# KiCad board KeeBoard.kicad_pcb
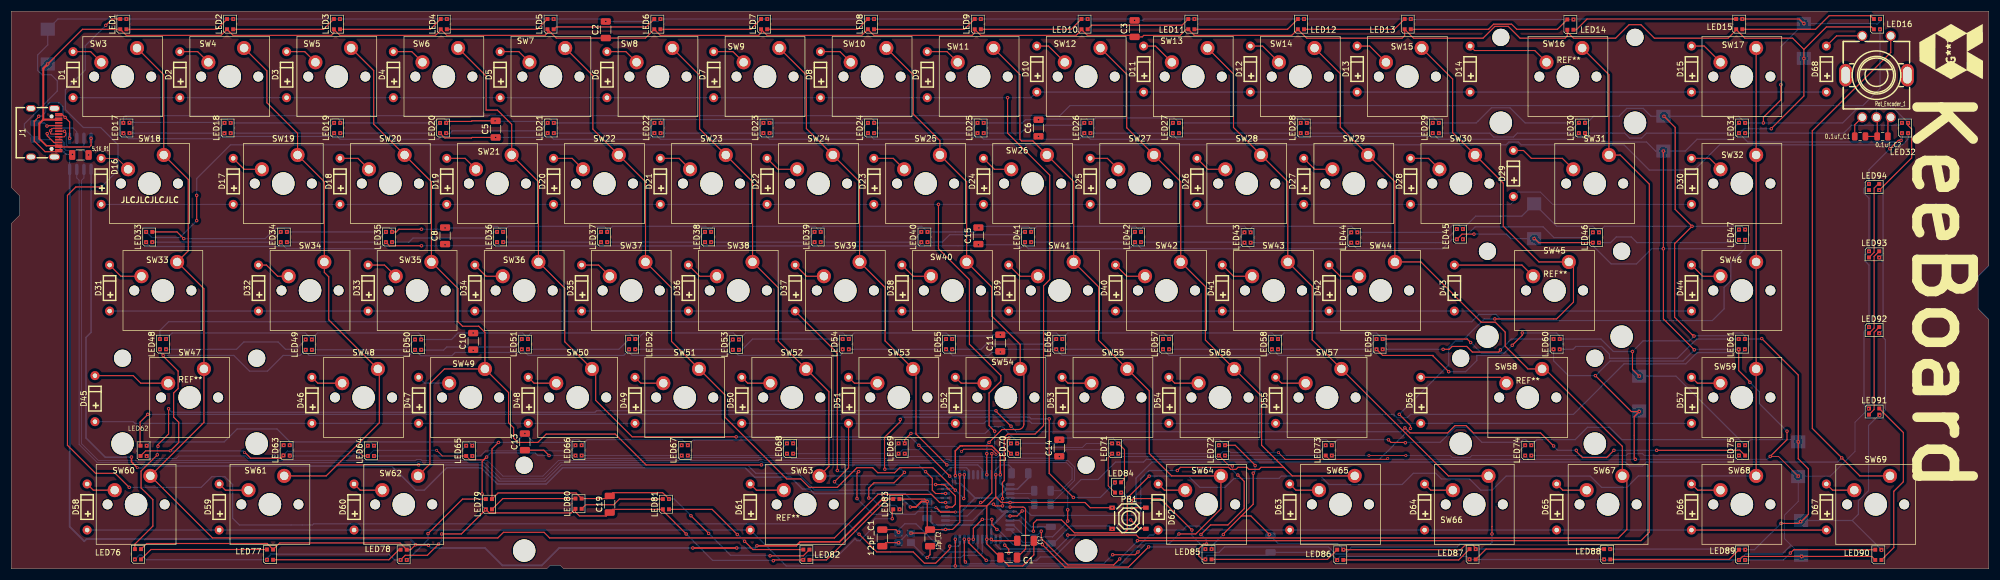
[diagram p0: board, top side]
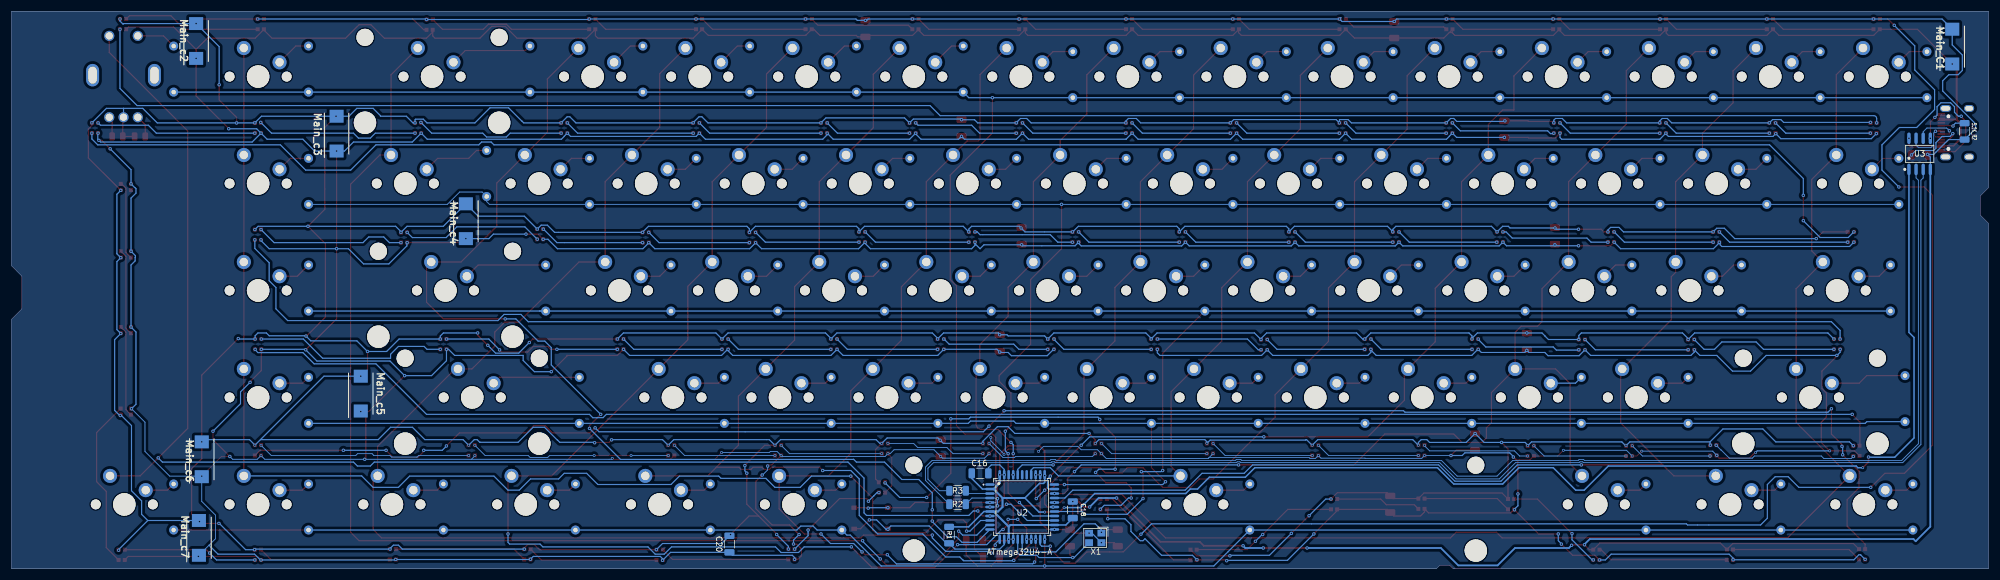
[diagram p1: board, bottom side, seen from below]

Outline 351.9 x 99.3 mm; copper layers: Top, Bottom. Coordinates in mm from the lower left corner of the outline.
Outline path: 0,99.3 0,67.9 1.5,66.4 1.5,63 0,61.5 0,0 95.3,0 95.9,0.6 97.7,0.6 98.3,0 351.9,0 351.9,44.4 350,46.3 350,52.1 351.9,54 351.9,99.3 0,99.3

## Placement (name value [footprint] x y rotation side)
0.1uf_C1  C_Small  [C_0805_2012Metric]  329 77 0 top
0.1uf_C2  C_Small  [C_0805_2012Metric]  333 77 0 top
5.1K_R1  R_Small  [R_1206_3216Metric]  12.3 73.7 180 top
5.1K_R2  R_Small  [R_1206_3216Metric]  4.3 77.9 270 bottom
12pF_C1  C_Small  [C_1206_3216Metric]  155 5.5 270 top
12pF_C2  C_Small  [C_1206_3216Metric]  163.5 5.5 90 top
C1  1u  [C_1206_3216Metric]  177.5 2 180 top
C2  10uF  [C_1206_3216Metric]  105.8 96 90 top
C3  10uF  [C_1206_3216Metric]  199.9 96.2 90 top
C5  10uF  [C_1206_3216Metric]  86.2 78.3 90 top
C6  10uF  [C_1206_3216Metric]  182.8 78.5 90 top
C8  10uF  [C_1206_3216Metric]  77.2 59.3 90 top
C10  10uF  [C_1206_3216Metric]  82.2 40.5 90 top
C11  10uF  [C_1206_3216Metric]  176 40.2 90 top
C13  10uF  [C_1206_3216Metric]  91.4 22.6 90 top
C14  10uF  [C_1206_3216Metric]  186.5 21.5 90 top
C15  10uF  [C_1206_3216Metric]  172.1 59.3 90 top
C16  100n  [C_1206_3216Metric]  179.5 17 0 bottom
C17  100n  [C_1206_3216Metric]  180.5 5 180 top
C18  100n  [C_1206_3216Metric]  163 10.5 270 bottom
C19  10uF  [C_1206_3216Metric]  106.5 11.5 90 top
C20  10uF  [C_1206_3216Metric]  224.1 4.4 90 bottom
D1  D  [onsemi 1N4148TR]  11 88 90 top
D2  D  [onsemi 1N4148TR]  30 88 90 top
D3  D  [onsemi 1N4148TR]  49 88 90 top
D4  D  [onsemi 1N4148TR]  68 88 90 top
D5  D  [onsemi 1N4148TR]  87 88 90 top
D6  D  [onsemi 1N4148TR]  106 88 90 top
D7  D  [onsemi 1N4148TR]  125 88 90 top
D8  D  [onsemi 1N4148TR]  144 88 90 top
D9  D  [onsemi 1N4148TR]  163 88 90 top
D10  D  [onsemi 1N4148TR]  182.5 89 90 top
D11  D  [onsemi 1N4148TR]  201.5 89 90 top
D12  D  [onsemi 1N4148TR]  220.5 89 90 top
D13  D  [onsemi 1N4148TR]  239.5 89 90 top
D14  D  [onsemi 1N4148TR]  259.6 89 90 top
D15  D  [onsemi 1N4148TR]  299 89 90 top
D16  D  [onsemi 1N4148TR]  16 69 90 top
D17  D  [onsemi 1N4148TR]  39.5 69 90 top
D18  D  [onsemi 1N4148TR]  58.5 69 90 top
D19  D  [onsemi 1N4148TR]  77.5 69 90 top
D20  D  [onsemi 1N4148TR]  96.5 69 90 top
D21  D  [onsemi 1N4148TR]  115.5 69 90 top
D22  D  [onsemi 1N4148TR]  134.5 69 90 top
D23  D  [onsemi 1N4148TR]  153.5 69 90 top
D24  D  [onsemi 1N4148TR]  173 69 90 top
D25  D  [onsemi 1N4148TR]  192 69 90 top
D26  D  [onsemi 1N4148TR]  211 69 90 top
D27  D  [onsemi 1N4148TR]  230 69 90 top
D28  D  [onsemi 1N4148TR]  249 69 90 top
D29  D  [onsemi 1N4148TR]  267.3 70.4 90 top
D30  D  [onsemi 1N4148TR]  299 69 90 top
D31  D  [onsemi 1N4148TR]  17.5 50 90 top
D32  D  [onsemi 1N4148TR]  44 50 90 top
D33  D  [onsemi 1N4148TR]  63.5 50 90 top
D34  D  [onsemi 1N4148TR]  82.5 50 90 top
D35  D  [onsemi 1N4148TR]  101.5 50 90 top
D36  D  [onsemi 1N4148TR]  120.5 50 90 top
D37  D  [onsemi 1N4148TR]  139.5 50 90 top
D38  D  [onsemi 1N4148TR]  158.5 50 90 top
D39  D  [onsemi 1N4148TR]  177.5 50 90 top
D40  D  [onsemi 1N4148TR]  196.5 50 90 top
D41  D  [onsemi 1N4148TR]  215.5 50 90 top
D42  D  [onsemi 1N4148TR]  234.5 50 90 top
D43  D  [onsemi 1N4148TR]  256.8 50 90 top
D44  D  [onsemi 1N4148TR]  299 50 90 top
D45  D  [onsemi 1N4148TR]  14.9 30.3 90 top
D46  D  [onsemi 1N4148TR]  53.5 30 90 top
D47  D  [onsemi 1N4148TR]  72.5 30 90 top
D48  D  [onsemi 1N4148TR]  92 30 90 top
D49  D  [onsemi 1N4148TR]  111 30 90 top
D50  D  [onsemi 1N4148TR]  130 30 90 top
D51  D  [onsemi 1N4148TR]  149 30 90 top
D52  D  [onsemi 1N4148TR]  168 30 90 top
D53  D  [onsemi 1N4148TR]  187 30 90 top
D54  D  [onsemi 1N4148TR]  206 30 90 top
D55  D  [onsemi 1N4148TR]  225 30 90 top
D56  D  [onsemi 1N4148TR]  250.82 30 90 top
D57  D  [onsemi 1N4148TR]  299 30 90 top
D58  D  [onsemi 1N4148TR]  13.5 11 90 top
D59  D  [onsemi 1N4148TR]  37 11 90 top
D60  D  [onsemi 1N4148TR]  61 11 90 top
D61  D  [onsemi 1N4148TR]  131.5 11 90 top
D62  D  [onsemi 1N4148TR]  204.1 11 90 top
D63  D  [onsemi 1N4148TR]  227.5 11 90 top
D64  D  [onsemi 1N4148TR]  251.5 11 90 top
D65  D  [onsemi 1N4148TR]  275 11 90 top
D66  D  [onsemi 1N4148TR]  299 11 90 top
D67  D  [onsemi 1N4148TR]  323 11 90 top
D68  D  [onsemi 1N4148TR]  323 89 90 top
G***  -  [LOGO]  345.2 92.3 270 top
J1  USBC  [USB-C_SMD-TYPE-C-31-M-12 HRO]  5.97 77.67 270 top
LED1  WS2812B  [LED_WS2812B-2020_PLCC4_2.0x2.0mm]  19.95 97 90 top
LED2  WS2812B  [LED_WS2812B-2020_PLCC4_2.0x2.0mm]  38.95 97 90 top
LED3  WS2812B  [LED_WS2812B-2020_PLCC4_2.0x2.0mm]  57.96 97 90 top
LED4  WS2812B  [LED_WS2812B-2020_PLCC4_2.0x2.0mm]  76.97 97 90 top
LED5  WS2812B  [LED_WS2812B-2020_PLCC4_2.0x2.0mm]  95.97 97 90 top
LED6  WS2812B  [LED_WS2812B-2020_PLCC4_2.0x2.0mm]  114.97 97 90 top
LED7  WS2812B  [LED_WS2812B-2020_PLCC4_2.0x2.0mm]  133.98 97 90 top
LED8  WS2812B  [LED_WS2812B-2020_PLCC4_2.0x2.0mm]  152.99 97 90 top
LED9  WS2812B  [LED_WS2812B-2020_PLCC4_2.0x2.0mm]  171.99 97 90 top
LED10  WS2812B  [LED_WS2812B-2020_PLCC4_2.0x2.0mm]  191 97 90 top
LED11  WS2812B  [LED_WS2812B-2020_PLCC4_2.0x2.0mm]  210 97 90 top
LED12  WS2812B  [LED_WS2812B-2020_PLCC4_2.0x2.0mm]  229.5 97 90 top
LED13  WS2812B  [LED_WS2812B-2020_PLCC4_2.0x2.0mm]  248.5 97 90 top
LED14  WS2812B  [LED_WS2812B-2020_PLCC4_2.0x2.0mm]  277.45 96.91 90 top
LED15  WS2812B  [LED_WS2812B-2020_PLCC4_2.0x2.0mm]  307.5 97 90 top
LED16  WS2812B  [LED_WS2812B-2020_PLCC4_2.0x2.0mm]  332 97 90 top
LED17  WS2812B  [LED_WS2812B-2020_PLCC4_2.0x2.0mm]  20.5 78.5 90 top
LED18  WS2812B  [LED_WS2812B-2020_PLCC4_2.0x2.0mm]  38.5 78.5 90 top
LED19  WS2812B  [LED_WS2812B-2020_PLCC4_2.0x2.0mm]  58 78.5 90 top
LED20  WS2812B  [LED_WS2812B-2020_PLCC4_2.0x2.0mm]  76.85 78.5 90 top
LED21  WS2812B  [LED_WS2812B-2020_PLCC4_2.0x2.0mm]  96 78.5 90 top
LED22  WS2812B  [LED_WS2812B-2020_PLCC4_2.0x2.0mm]  115 78.5 90 top
LED23  WS2812B  [LED_WS2812B-2020_PLCC4_2.0x2.0mm]  134.4 78.5 90 top
LED24  WS2812B  [LED_WS2812B-2020_PLCC4_2.0x2.0mm]  153 78.5 90 top
LED25  WS2812B  [LED_WS2812B-2020_PLCC4_2.0x2.0mm]  172.5 78.5 90 top
LED26  WS2812B  [LED_WS2812B-2020_PLCC4_2.0x2.0mm]  191.5 78.5 90 top
LED27  WS2812B  [LED_WS2812B-2020_PLCC4_2.0x2.0mm]  207.26 78.5 90 top
LED28  WS2812B  [LED_WS2812B-2020_PLCC4_2.0x2.0mm]  230 78.5 90 top
LED29  WS2812B  [LED_WS2812B-2020_PLCC4_2.0x2.0mm]  253.5 78.5 90 top
LED30  WS2812B  [LED_WS2812B-2020_PLCC4_2.0x2.0mm]  279.5 78.5 90 top
LED31  WS2812B  [LED_WS2812B-2020_PLCC4_2.0x2.0mm]  308 78.5 90 top
LED32  WS2812B  [LED_WS2812B-2020_PLCC4_2.0x2.0mm]  337 78.5 90 top
LED33  WS2812B  [LED_WS2812B-2020_PLCC4_2.0x2.0mm]  24.55 59.09 90 top
LED34  WS2812B  [LED_WS2812B-2020_PLCC4_2.0x2.0mm]  48.5 59.09 90 top
LED35  WS2812B  [LED_WS2812B-2020_PLCC4_2.0x2.0mm]  67.22 59.09 90 top
LED36  WS2812B  [LED_WS2812B-2020_PLCC4_2.0x2.0mm]  87 59.09 90 top
LED37  WS2812B  [LED_WS2812B-2020_PLCC4_2.0x2.0mm]  105.5 59.09 90 top
LED38  WS2812B  [LED_WS2812B-2020_PLCC4_2.0x2.0mm]  124 59.09 90 top
LED39  WS2812B  [LED_WS2812B-2020_PLCC4_2.0x2.0mm]  143.5 59.09 90 top
LED40  WS2812B  [LED_WS2812B-2020_PLCC4_2.0x2.0mm]  162.5 59.09 90 top
LED41  WS2812B  [LED_WS2812B-2020_PLCC4_2.0x2.0mm]  180.95 59.09 90 top
LED42  WS2812B  [LED_WS2812B-2020_PLCC4_2.0x2.0mm]  200.5 59.09 90 top
LED43  WS2812B  [LED_WS2812B-2020_PLCC4_2.0x2.0mm]  220 59 90 top
LED44  WS2812B  [LED_WS2812B-2020_PLCC4_2.0x2.0mm]  239 59 90 top
LED45  WS2812B  [LED_WS2812B-2020_PLCC4_2.0x2.0mm]  257.8 59.6 90 top
LED46  WS2812B  [LED_WS2812B-2020_PLCC4_2.0x2.0mm]  282 59 90 top
LED47  WS2812B  [LED_WS2812B-2020_PLCC4_2.0x2.0mm]  308 59.5 90 top
LED48  WS2812B  [LED_WS2812B-2020_PLCC4_2.0x2.0mm]  27 40 90 top
LED49  WS2812B  [LED_WS2812B-2020_PLCC4_2.0x2.0mm]  52.95 39.92 90 top
LED50  WS2812B  [LED_WS2812B-2020_PLCC4_2.0x2.0mm]  72.4 39.92 90 top
LED51  WS2812B  [LED_WS2812B-2020_PLCC4_2.0x2.0mm]  91.4 40 90 top
LED52  WS2812B  [LED_WS2812B-2020_PLCC4_2.0x2.0mm]  110.5 40 90 top
LED53  WS2812B  [LED_WS2812B-2020_PLCC4_2.0x2.0mm]  128.95 39.92 90 top
LED54  WS2812B  [LED_WS2812B-2020_PLCC4_2.0x2.0mm]  148.5 40 90 top
LED55  WS2812B  [LED_WS2812B-2020_PLCC4_2.0x2.0mm]  166.9 40 90 top
LED56  WS2812B  [LED_WS2812B-2020_PLCC4_2.0x2.0mm]  186.5 40 90 top
LED57  WS2812B  [LED_WS2812B-2020_PLCC4_2.0x2.0mm]  205.5 40 90 top
LED58  WS2812B  [LED_WS2812B-2020_PLCC4_2.0x2.0mm]  224.88 40 90 top
LED59  WS2812B  [LED_WS2812B-2020_PLCC4_2.0x2.0mm]  243.5 40 90 top
LED60  WS2812B  [LED_WS2812B-2020_PLCC4_2.0x2.0mm]  275 40 90 top
LED61  WS2812B  [LED_WS2812B-2020_PLCC4_2.0x2.0mm]  307.95 40 90 top
LED62  WS2812B  [LED_WS2812B-2020_PLCC4_2.0x2.0mm]  23.55 21 90 top
LED63  WS2812B  [LED_WS2812B-2020_PLCC4_2.0x2.0mm]  49 21.1 90 top
LED64  WS2812B  [LED_WS2812B-2020_PLCC4_2.0x2.0mm]  64 21 90 top
LED65  WS2812B  [LED_WS2812B-2020_PLCC4_2.0x2.0mm]  81.5 21 90 top
LED66  WS2812B  [LED_WS2812B-2020_PLCC4_2.0x2.0mm]  100.95 21.08 90 top
LED67  WS2812B  [LED_WS2812B-2020_PLCC4_2.0x2.0mm]  119.85 21.08 90 top
LED68  WS2812B  [LED_WS2812B-2020_PLCC4_2.0x2.0mm]  138.59 21.42 90 top
LED69  WS2812B  [LED_WS2812B-2020_PLCC4_2.0x2.0mm]  158.45 21.42 90 top
LED70  WS2812B  [LED_WS2812B-2020_PLCC4_2.0x2.0mm]  178.45 21.42 90 top
LED71  WS2812B  [LED_WS2812B-2020_PLCC4_2.0x2.0mm]  196.45 21.42 90 top
LED72  WS2812B  [LED_WS2812B-2020_PLCC4_2.0x2.0mm]  215.45 21.08 90 top
LED73  WS2812B  [LED_WS2812B-2020_PLCC4_2.0x2.0mm]  234.45 21.08 90 top
LED74  WS2812B  [LED_WS2812B-2020_PLCC4_2.0x2.0mm]  269.95 21.08 90 top
LED75  WS2812B  [LED_WS2812B-2020_PLCC4_2.0x2.0mm]  308 21.08 90 top
LED76  WS2812B  [LED_WS2812B-2020_PLCC4_2.0x2.0mm]  22.55 2.58 90 top
LED77  WS2812B  [LED_WS2812B-2020_PLCC4_2.0x2.0mm]  46.05 2.52 90 top
LED78  WS2812B  [LED_WS2812B-2020_PLCC4_2.0x2.0mm]  69.83 2.48 90 top
LED79  WS2812B  [LED_WS2812B-2020_PLCC4_2.0x2.0mm]  85 11.5 90 top
LED80  WS2812B  [LED_WS2812B-2020_PLCC4_2.0x2.0mm]  100.95 11.58 90 top
LED81  WS2812B  [LED_WS2812B-2020_PLCC4_2.0x2.0mm]  116.5 11.5 90 top
LED82  WS2812B  [LED_WS2812B-2020_PLCC4_2.0x2.0mm]  141.5 2.5 90 top
LED83  WS2812B  [LED_WS2812B-2020_PLCC4_2.0x2.0mm]  157.5 11.5 90 top
LED84  WS2812B  [LED_WS2812B-2020_PLCC4_2.0x2.0mm]  196.95 14.48 90 top
LED85  WS2812B  [LED_WS2812B-2020_PLCC4_2.0x2.0mm]  213.05 2.58 90 top
LED86  WS2812B  [LED_WS2812B-2020_PLCC4_2.0x2.0mm]  236.5 2.48 90 top
LED87  WS2812B  [LED_WS2812B-2020_PLCC4_2.0x2.0mm]  260.05 2.58 90 top
LED88  WS2812B  [LED_WS2812B-2020_PLCC4_2.0x2.0mm]  284 2.58 90 top
LED89  WS2812B  [LED_WS2812B-2020_PLCC4_2.0x2.0mm]  308 2.48 90 top
LED90  WS2812B  [LED_WS2812B-2020_PLCC4_2.0x2.0mm]  332.25 2.48 90 top
LED91  WS2812B  [LED_WS2812B-2020_PLCC4_2.0x2.0mm]  331.5 28 0 top
LED92  WS2812B  [LED_WS2812B-2020_PLCC4_2.0x2.0mm]  331.5 42.5 0 top
LED93  WS2812B  [LED_WS2812B-2020_PLCC4_2.0x2.0mm]  331.5 56 0 top
LED94  WS2812B  [LED_WS2812B-2020_PLCC4_2.0x2.0mm]  331.5 68 0 top
Main_C1  470uf  [CAPPM7344X430N 470uf tantalum]  6.5 93 90 bottom
Main_c2  470uf  [CAPPM7344X430N 470uf tantalum]  319 94 90 bottom
Main_c3  470uF  [CAPPM7344X430N 470uf tantalum]  294 77.5 90 bottom
Main_c4  470uf  [CAPPM7344X430N 470uf tantalum]  271 61.9 90 bottom
Main_c5  470Uf  [CAPPM7344X430N 470uf tantalum]  289.7 31.2 90 bottom
Main_c6  470uf  [CAPPM7344X430N 470uf tantalum]  318 19.5 90 bottom
Main_c7  470uf  [CAPPM7344X430N 470uf tantalum]  318.5 5.5 90 bottom
PB1  ~  [SW-SMD_4P-L5.1-W5.1-P3.70-LS6.5-TL_H1.5 C318884 push button]  198.9 9 0 top
R1  10k  [R_1206_3216Metric]  185 6 270 bottom
R2  22  [R_1206_3216Metric]  183.5 11.5 180 bottom
R3  22  [R_1206_3216Metric]  183.5 13.9 180 bottom
REF**  -  [Stabilizer_Cherry_MX_6.25u]  141.28 11.46 0 top
REF**#2  -  [Stabilizer_Cherry_MX_2.00u]  31.74 30.51 0 top
REF**#3  -  [Stabilizer_Cherry_MX_2.00u]  269.87 30.51 0 top
REF**#4  -  [Stabilizer_Cherry_MX_2.00u]  274.63 49.56 0 top
REF**#5  -  [Stabilizer_Cherry_MX_2.00u]  277.01 87.66 0 top
Rot_Encoder_1  ~  [EC11E18244AU Rotary encoder]  331.92 87.66 0 top
SW3  SW_Push  [SW_Cherry_MX_PCB_1.00u]  19.84 87.66 0 top
SW4  SW_Push  [SW_Cherry_MX_PCB_1.00u]  38.89 87.66 0 top
SW5  SW_Push  [SW_Cherry_MX_PCB_1.00u]  57.94 87.66 0 top
SW6  SW_Push  [SW_Cherry_MX_PCB_1.00u]  76.99 87.66 0 top
SW7  SW_Push  [SW_Cherry_MX_PCB_1.00u]  96.04 87.66 0 top
SW8  SW_Push  [SW_Cherry_MX_PCB_1.00u]  115.09 87.66 0 top
SW9  SW_Push  [SW_Cherry_MX_PCB_1.00u]  134.14 87.66 0 top
SW10  SW_Push  [SW_Cherry_MX_PCB_1.00u]  153.19 87.66 0 top
SW11  SW_Push  [SW_Cherry_MX_PCB_1.00u]  172.24 87.66 0 top
SW12  SW_Push  [SW_Cherry_MX_PCB_1.00u]  191.29 87.66 0 top
SW13  SW_Push  [SW_Cherry_MX_PCB_1.00u]  210.34 87.66 0 top
SW14  SW_Push  [SW_Cherry_MX_PCB_1.00u]  229.39 87.66 0 top
SW15  SW_Push  [SW_Cherry_MX_PCB_1.00u]  248.44 87.66 0 top
SW16  SW_Push  [SW_Cherry_MX_PCB_2.00u]  277.01 87.66 0 top
SW17  SW_Push  [SW_Cherry_MX_PCB_1.25u]  307.97 87.66 0 top
SW18  SW_Push  [SW_Cherry_MX_PCB_1.50u]  24.6 68.61 0 top
SW19  SW_Push  [SW_Cherry_MX_PCB_1.00u]  48.41 68.61 0 top
SW20  SW_Push  [SW_Cherry_MX_PCB_1.00u]  67.46 68.61 0 top
SW21  SW_Push  [SW_Cherry_MX_PCB_1.00u]  86.51 68.61 0 top
SW22  SW_Push  [SW_Cherry_MX_PCB_1.00u]  105.56 68.61 0 top
SW23  SW_Push  [SW_Cherry_MX_PCB_1.00u]  124.61 68.61 0 top
SW24  SW_Push  [SW_Cherry_MX_PCB_1.00u]  143.66 68.61 0 top
SW25  SW_Push  [SW_Cherry_MX_PCB_1.00u]  162.71 68.61 0 top
SW26  SW_Push  [SW_Cherry_MX_PCB_1.00u]  181.76 68.61 0 top
SW27  SW_Push  [SW_Cherry_MX_PCB_1.00u]  200.81 68.61 0 top
SW28  SW_Push  [SW_Cherry_MX_PCB_1.00u]  219.86 68.61 0 top
SW29  SW_Push  [SW_Cherry_MX_PCB_1.00u]  238.91 68.61 0 top
SW30  SW_Push  [SW_Cherry_MX_PCB_1.00u]  257.96 68.61 0 top
SW31  SW_Push  [SW_Cherry_MX_PCB_1.50u]  281.77 68.61 0 top
SW32  SW_Push  [SW_Cherry_MX_PCB_1.25u]  307.97 68.61 0 top
SW33  SW_Push  [SW_Cherry_MX_PCB_1.75u]  26.98 49.56 0 top
SW34  SW_Push  [SW_Cherry_MX_PCB_1.00u]  53.17 49.56 0 top
SW35  SW_Push  [SW_Cherry_MX_PCB_1.00u]  72.22 49.56 0 top
SW36  SW_Push  [SW_Cherry_MX_PCB_1.00u]  91.28 49.56 0 top
SW37  SW_Push  [SW_Cherry_MX_PCB_1.00u]  110.33 49.56 0 top
SW38  SW_Push  [SW_Cherry_MX_PCB_1.00u]  129.38 49.56 0 top
SW39  SW_Push  [SW_Cherry_MX_PCB_1.00u]  148.43 49.56 0 top
SW40  SW_Push  [SW_Cherry_MX_PCB_1.00u]  167.47 49.56 0 top
SW41  SW_Push  [SW_Cherry_MX_PCB_1.00u]  186.53 49.56 0 top
SW42  SW_Push  [SW_Cherry_MX_PCB_1.00u]  205.57 49.56 0 top
SW43  SW_Push  [SW_Cherry_MX_PCB_1.00u]  224.62 49.56 0 top
SW44  SW_Push  [SW_Cherry_MX_PCB_1.00u]  243.68 49.56 0 top
SW45  SW_Push  [SW_Cherry_MX_PCB_2.25u]  274.63 49.56 0 top
SW46  SW_Push  [SW_Cherry_MX_PCB_1.25u]  307.97 49.56 0 top
SW47  SW_Push  [SW_Cherry_MX_PCB_2.25u]  31.74 30.51 0 top
SW48  SW_Push  [SW_Cherry_MX_PCB_1.00u]  62.7 30.51 0 top
SW49  SW_Push  [SW_Cherry_MX_PCB_1.00u]  81.75 30.51 0 top
SW50  SW_Push  [SW_Cherry_MX_PCB_1.00u]  100.8 30.51 0 top
SW51  SW_Push  [SW_Cherry_MX_PCB_1.00u]  119.85 30.51 0 top
SW52  SW_Push  [SW_Cherry_MX_PCB_1.00u]  138.9 30.51 0 top
SW53  SW_Push  [SW_Cherry_MX_PCB_1.00u]  157.95 30.51 0 top
SW54  SW_Push  [SW_Cherry_MX_PCB_1.00u]  177 30.51 0 top
SW55  SW_Push  [SW_Cherry_MX_PCB_1.00u]  196.05 30.51 0 top
SW56  SW_Push  [SW_Cherry_MX_PCB_1.00u]  215.1 30.51 0 top
SW57  SW_Push  [SW_Cherry_MX_PCB_1.00u]  234.15 30.51 0 top
SW58  SW_Push  [SW_Cherry_MX_PCB_2.75u]  269.87 30.51 0 top
SW59  SW_Push  [SW_Cherry_MX_PCB_1.25u]  307.97 30.51 0 top
SW60  SW_Push  [SW_Cherry_MX_PCB_1.25u]  22.22 11.46 0 top
SW61  SW_Push  [SW_Cherry_MX_PCB_1.25u]  46.03 11.46 0 top
SW62  SW_Push  [SW_Cherry_MX_PCB_1.25u]  69.84 11.46 0 top
SW63  SW_Push  [SW_Cherry_MX_PCB_6.25u]  141.28 11.46 0 top
SW64  SW_Push  [SW_Cherry_MX_PCB_1.25u]  212.72 11.46 0 top
SW65  SW_Push  [SW_Cherry_MX_PCB_1.25u]  236.53 11.46 0 top
SW66  SW_Push  [SW_Cherry_MX_PCB_1.25u]  260.34 11.46 0 top
SW67  SW_Push  [SW_Cherry_MX_PCB_1.25u]  284.16 11.46 0 top
SW68  SW_Push  [SW_Cherry_MX_PCB_1.25u]  307.97 11.46 0 top
SW69  SW_Push  [SW_Cherry_MX_PCB_1.25u]  331.78 11.46 0 top
U2  ATmega32U4-A  [Microchip Tech ATMEGA32U4RC-AU]  172 11 270 bottom
U3  ~  [SOIC-8_L4.9-W3.9-P1.27-LS6.0-BL usb6b1rl]  12.3 73.9 180 bottom
X1  16MHz  [CRYSTAL-SMD_4P-L3.2-W2.5-BL 16mHZ]  159 5.5 0 bottom

## Library data of the parts
0.1uf_C1 0.1uf_C2 12pF_C1 12pF_C2 = -: Description: Unpolarized capacitor, small symbol; ki_fp_filters: C_*
5.1K_R1 5.1K_R2 = -: Description: Resistor, small symbol; ki_fp_filters: R_*
C1-C3 C5 C6 C8 C10 C11 C13-C20 Main_C1 Main_c2-Main_c7 = -: Description: Unpolarized capacitor; ki_fp_filters: C_*
D1-D68 = -: Description: Diode; Sim.Pins: 1=K 2=A; ki_fp_filters: TO-???* *_Diode_* *SingleDiode* D_*
J1 = -: Datasheet: https://www.usb.org/sites/default/files/documents/usb_type-c.zip; Description: USB 2.0-only 16P Type-C Receptacle connector; ki_fp_filters: USB*C*Receptacle*
LED1-LED94 = -: Datasheet: https://cdn-shop.adafruit.com/datasheets/WS2812B.pdf; Description: RGB LED with integrated controller; ki_fp_filters: LED*WS2812*PLCC*5.0x5.0mm*P3.2mm*
R1-R3 = -: Description: Resistor; ki_fp_filters: R_*
Rot_Encoder_1 = -: Supplier: LCSC; LCSC Part Name: EC11E18244AU
SW3-SW69 = -: Description: Push button switch, generic, two pins
U2 = -: Datasheet: http://ww1.microchip.com/downloads/en/DeviceDoc/Atmel-7766-8-bit-AVR-ATmega16U4-32U4_Datasheet.pdf; Description: 16MHz, 32kB Flash, 2.5kB SRAM, 1kB EEPROM, USB 2.0, TQFP-44; ki_fp_filters: TQFP*10x10mm*P0.8mm*
U3 = -: Manufacturer Part: USB6B1RL

## Footprints (pads in the part's own frame, mm; a bottom-side part is the same pattern mirrored in y, then rotated)
C_0805_2012Metric
  rrect 1x1.45 smd: 1(-0.95,0) 2(0.95,0)
C_1206_3216Metric
  rrect 1.15x1.8 smd: 1(-1.475,0) 2(1.475,0)
CAPPM7344X430N 470uf tantalum
  rect 2.3x2.5 smd: 1(-3.1,0) 2(3.1,0)
CRYSTAL-SMD_4P-L3.2-W2.5-BL 16mHZ
  rect 1.4x1.2 smd: 1(-1.1,-0.85) 2(1.1,-0.85) 3(1.1,0.85) 4(-1.1,0.85)
EC11E18244AU Rotary encoder
  oval 2.3x4 hole 1.5x3: 6(5.5,0.25) 7(-5.5,0.25)
  round 1.8 hole 1.3: A(-2.54,-7.25) B(2.54,-7.25) C(0,-7.25) D(-2.54,7.25) E(2.54,7.25)
LED_WS2812B-2020_PLCC4_2.0x2.0mm
  rect 0.7x0.7 smd: 1(-0.915,0.55) 2(-0.915,-0.55) 3(0.915,-0.55) 4(0.915,0.55)
Microchip Tech ATMEGA32U4RC-AU
  oval 0.448x1.684 smd: 1(-4,-5.742) 2(-3.2,-5.742) 3(-2.4,-5.742) 4(-1.6,-5.742) 5(-0.8,-5.742) 6(0,-5.742) 7(0.8,-5.742) 8(1.6,-5.742) 9(2.4,-5.742) 10(3.2,-5.742) 11(4,-5.742) 23(4,5.742) 24(3.2,5.742) 25(2.4,5.742) 26(1.6,5.742) 27(0.8,5.742) 28(0,5.742) 29(-0.8,5.742) 30(-1.6,5.742) 31(-2.4,5.742) 32(-3.2,5.742) 33(-4,5.742)
  oval 1.684x0.448 smd: 12(5.742,-4) 13(5.742,-3.2) 14(5.742,-2.4) 15(5.742,-1.6) 16(5.742,-0.8) 17(5.742,0) 18(5.742,0.8) 19(5.742,1.6) 20(5.742,2.4) 21(5.742,3.2) 22(5.742,4) 34(-5.742,4) 35(-5.742,3.2) 36(-5.742,2.4) 37(-5.742,1.6) 38(-5.742,0.8) 39(-5.742,0) 40(-5.742,-0.8) 41(-5.742,-1.6) 42(-5.742,-2.4) 43(-5.742,-3.2) 44(-5.742,-4)
onsemi 1N4148TR
  round 1.6 hole 0.8: 1(-4.1,0) 2(4.1,0)
R_1206_3216Metric
  rrect 1.125x1.75 smd: 1(-1.462,0) 2(1.462,0)
SOIC-8_L4.9-W3.9-P1.27-LS6.0-BL usb6b1rl
  oval 0.588x2.045 smd: 1(-1.905,-2.772) 2(-0.635,-2.772) 3(0.635,-2.772) 4(1.905,-2.772) 5(1.905,2.772) 6(0.635,2.772) 7(-0.635,2.772) 8(-1.905,2.772)
Stabilizer_Cherry_MX_2.00u
  round 3.048 hole 3.048 unplated: (-11.938,6.985) (11.938,6.985)
  round 3.988 hole 3.988 unplated: (-11.938,-8.225) (11.938,-8.225)
Stabilizer_Cherry_MX_6.25u
  round 3.048 hole 3.048 unplated: (-50,6.985) (50,6.985)
  round 3.988 hole 3.988 unplated: (-50,-8.225) (50,-8.225)
SW-SMD_4P-L5.1-W5.1-P3.70-LS6.5-TL_H1.5 C318884 push button
  rect 1x0.75 smd: 1(-3,1.875) 2(3,1.875) 3(-3,-1.875) 4(3,-1.875)
SW_Cherry_MX_PCB_1.00u
  round 1.75 hole 1.75 unplated: (-5.08,0) (5.08,0)
  round 4 hole 4 unplated: (0,0)
  round 2.5 hole 1.5: 1(-3.81,2.54) 2(2.54,5.08)
SW_Cherry_MX_PCB_1.25u
  round 1.75 hole 1.75 unplated: (-5.08,0) (5.08,0)
  round 4 hole 4 unplated: (0,0)
  round 2.5 hole 1.5: 1(-3.81,2.54) 2(2.54,5.08)
SW_Cherry_MX_PCB_1.50u
  round 1.75 hole 1.75 unplated: (-5.08,0) (5.08,0)
  round 4 hole 4 unplated: (0,0)
  round 2.5 hole 1.5: 1(-3.81,2.54) 2(2.54,5.08)
SW_Cherry_MX_PCB_1.75u
  round 1.75 hole 1.75 unplated: (-5.08,0) (5.08,0)
  round 4 hole 4 unplated: (0,0)
  round 2.5 hole 1.5: 1(-3.81,2.54) 2(2.54,5.08)
SW_Cherry_MX_PCB_2.00u
  round 1.75 hole 1.75 unplated: (-5.08,0) (5.08,0)
  round 4 hole 4 unplated: (0,0)
  round 2.5 hole 1.5: 1(-3.81,2.54) 2(2.54,5.08)
SW_Cherry_MX_PCB_2.25u
  round 1.75 hole 1.75 unplated: (-5.08,0) (5.08,0)
  round 4 hole 4 unplated: (0,0)
  round 2.5 hole 1.5: 1(-3.81,2.54) 2(2.54,5.08)
SW_Cherry_MX_PCB_2.75u
  round 1.75 hole 1.75 unplated: (-5.08,0) (5.08,0)
  round 4 hole 4 unplated: (0,0)
  round 2.5 hole 1.5: 1(-3.81,2.54) 2(2.54,5.08)
SW_Cherry_MX_PCB_6.25u
  round 1.75 hole 1.75 unplated: (-5.08,0) (5.08,0)
  round 4 hole 4 unplated: (0,0)
  round 2.5 hole 1.5: 1(-3.81,2.54) 2(2.54,5.08)
USB-C_SMD-TYPE-C-31-M-12 HRO
  oval 1.2x2 hole 0.8x1.6: 0(-4.325,1.706) 1(4.325,1.706)
  oval 1.2x1.8 hole 0.8x1.4: 2(4.325,-2.474) 3(-4.325,-2.474)
  rect 0.3x1.3 smd: A1(-3.35,2.474) A4(-2.55,2.474) A5(-1.25,2.474) A6(-0.25,2.474) A7(0.25,2.474) A8(1.25,2.474) A9(2.55,2.474) A12(3.35,2.474) B1(3.05,2.474) B4(2.25,2.474) B5(1.75,2.474) B6(0.75,2.474) B7(-0.75,2.474) B8(-1.75,2.474) B9(-2.25,2.474) B12(-3.05,2.474)
